# KiCad board skean.kicad_pcb
title: Skean; date: 2023-03-15; rev: 0.3
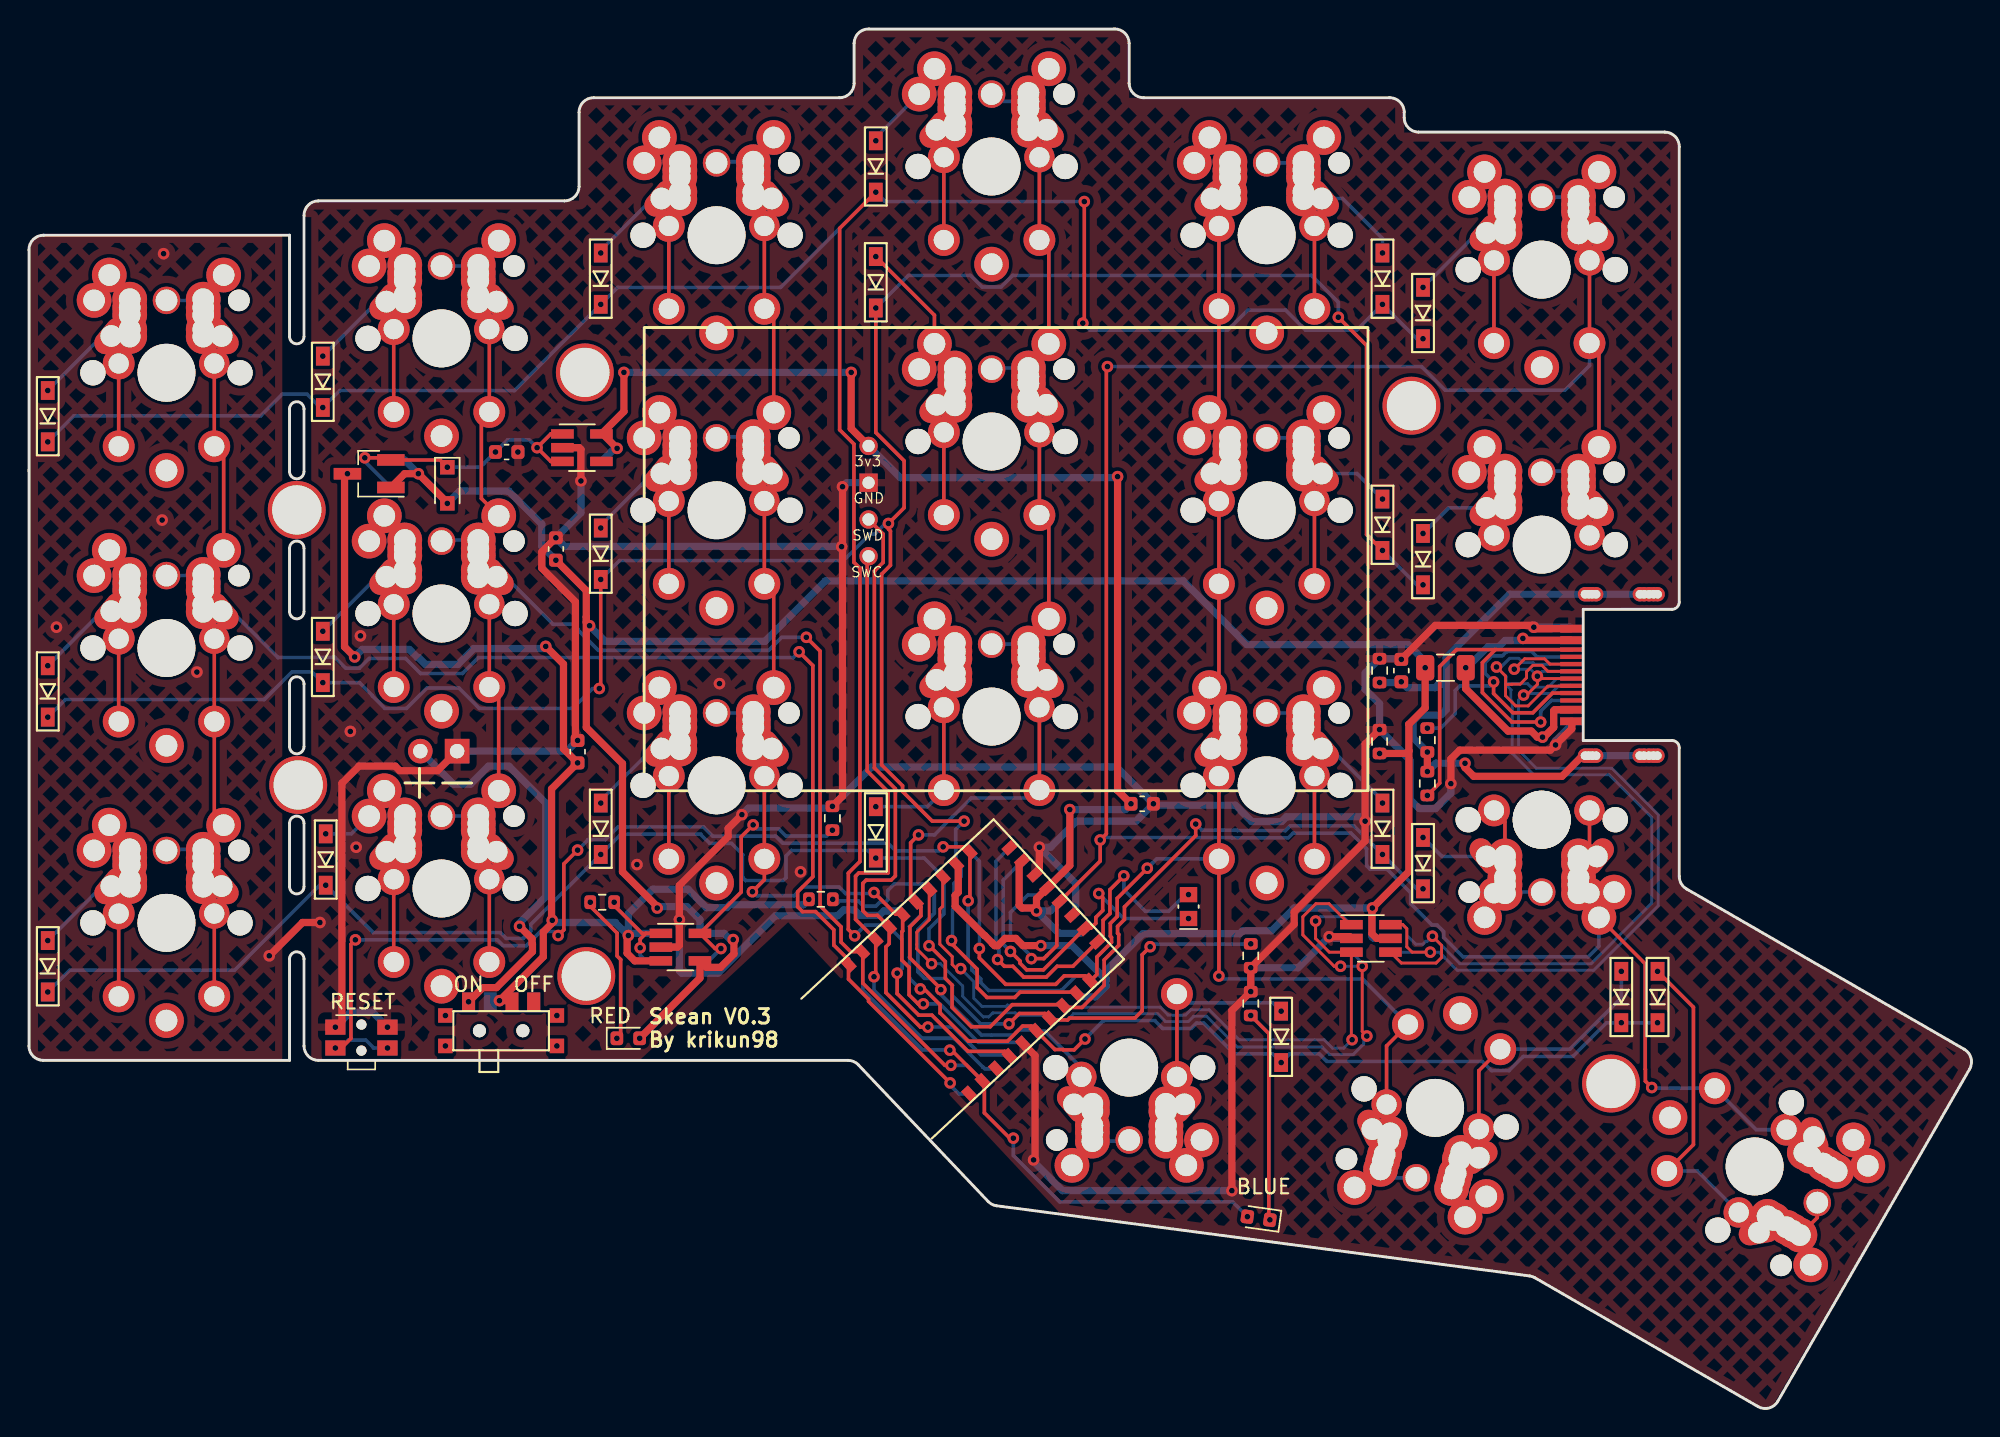
[diagram p0: board, top side]
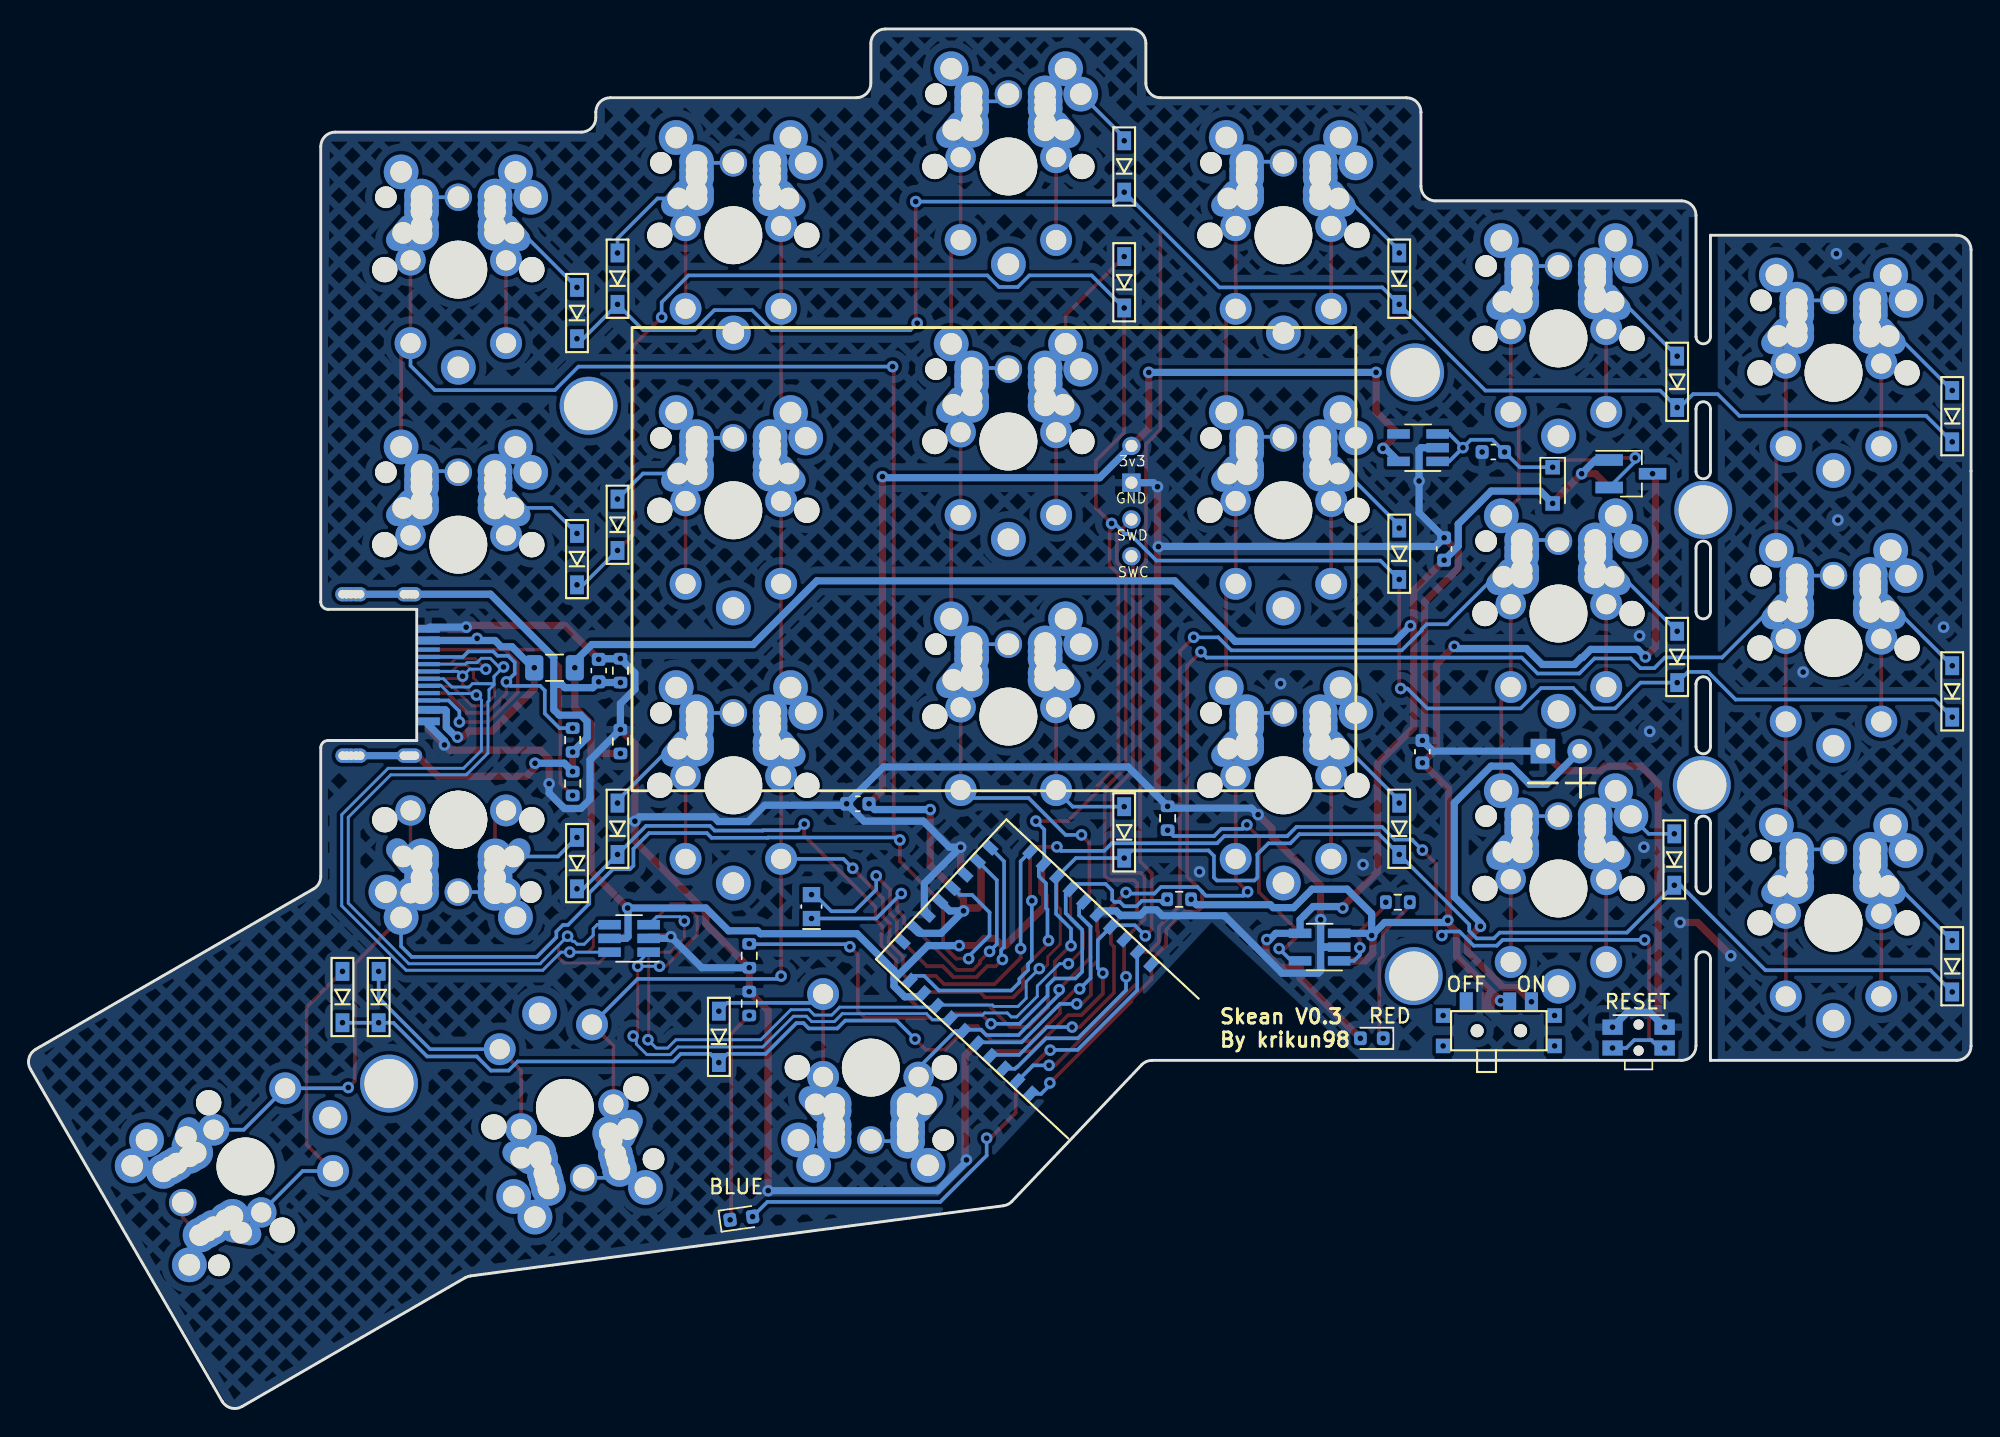
[diagram p1: board, bottom side, seen from below]

Outline 134.16 x 95.27 mm; copper layers: Top, Bottom. Coordinates in mm from the lower left corner of the outline.
Outline path: 0,80.02 arc(0.29,80.72) 1,81.02 18,81.02 18,74.02 arc(18.5,73.52) 19,74.02 19,82.39 arc(19.29,83.1) 20,83.39 37,83.39 arc(37.71,83.69) 38,84.39 38,89.52 arc(38.29,90.22) 39,90.52 56,90.52 arc(56.71,90.81) 57,91.52 57,94.27 arc(57.29,94.97) 58,95.27 75,95.27 arc(75.71,94.97) 76,94.27 76,91.52 arc(76.29,90.81) 77,90.52 94,90.52 arc(94.71,90.22) 95,89.52 95,89.14 arc(95.29,88.44) 96,88.14 113,88.14 arc(113.71,87.85) 114,87.14 114,55.68 arc(113.85,55.32) 113.5,55.18 107.37,55.17 107.37,46.11 113.5,46.11 arc(113.85,45.97) 114,45.61 114,36.73 arc(114.13,36.23) 114.5,35.86 133.69,24.78 arc(134.16,24.17) 134.06,23.42 120.81,0.47 arc(120.2,0) 119.44,0.1 104.02,9 arc(103.85,9.08) 103.66,9.13 66.85,13.97 arc(66.53,14.07) 66.26,14.27 57.29,23.71 arc(56.97,23.94) 56.58,24.02 20,24.02 arc(19.29,24.31) 19,25.02 19,31.02 arc(18.5,31.52) 18,31.02 18,24.02 0.99,24.02 arc(0.29,24.31) 0,25.01 0,64.74 0,80.02 ; 18,69.02 18,64.69 arc(18.5,64.19) 19,64.69 19,69.02 arc(18.5,69.52) 18,69.02 ; 18,59.39 arc(18.5,59.89) 19,59.39 19,55.02 arc(18.5,54.52) 18,55.02 18,59.39 ; 18,50.02 arc(18.5,50.52) 19,50.02 19,45.69 arc(18.5,45.19) 18,45.69 18,50.02 ; 18,40.39 18,36.02 arc(18.5,35.52) 19,36.02 19,40.39 arc(18.5,40.89) 18,40.39
Stack: Top 0.035mm / dielectric 0.72mm FR4 er 4.5 / Bottom 0.035mm

## Placement (name value [footprint] x y rotation side)
C1  10pF  [C_0603_1608Metric_REV]  33 66.04 0 top
C2  10pF  [C_0603_1608Metric_REV]  76.9 41.74 0 top
C3  1nF  [C_0603_1608Metric_REV]  94.8 50.94 270 top
C4  4.7uF  [C_0603_1608Metric_REV]  37.9 45.34 90 top
C5  4.7uF  [C_0603_1608Metric_REV]  36.4 59.34 90 top
D1  D_Small  [D3_SMD]  1.3 68.52 90 top
D2  D_Small  [D3_SMD]  20.3 70.89 90 top
D3  D_Small  [D3_SMD]  39.5 78.02 90 top
D4  D_Small  [D3_SMD]  58.5 85.77 90 top
D5  D_Small  [D3_SMD]  93.5 78.02 90 top
D6  D_Small  [D3_SMD]  96.3 75.64 90 top
D7  D_Small  [D3_SMD]  1.3 49.5 90 top
D8  D_Small  [D3_SMD]  20.3 51.89 90 top
D9  D_Small  [D3_SMD]  39.5 59.02 90 top
D10  D_Small  [D3_SMD]  58.5 77.77 90 top
D11  D_Small  [D3_SMD]  93.5 61.02 90 top
D12  D_Small  [D3_SMD]  96.3 58.64 90 top
D13  D_Small  [D3_SMD]  1.3 30.52 90 top
D14  D_Small  [D3_SMD]  20.5 37.89 90 top
D15  D_Small  [D3_SMD]  39.5 40.02 90 top
D16  D_Small  [D3_SMD]  58.5 39.77 90 top
D17  D_Small  [D3_SMD]  93.5 40.02 90 top
D18  D_Small  [D3_SMD]  96.3 37.64 90 top
D20  D_Small  [D3_SMD]  86.5 25.64 90 top
D21  D_Small  [D3_SMD]  110 28.39 90 top
D22  D_Small  [D3_SMD]  112.5 28.39 90 top
D23  1N5819  [D_SOD-323_HandSoldering_REV]  28.9 63.74 270 top
D24  RED  [LED_0603_1608Metric_REV]  41.4 25.54 0 top
D25  BLUE  [LED_0603_1608Metric_REV]  84.94 13.11 172 top
F1  500mA  [Fuse_1206_3216Metric_REV]  97.85 51.14 180 top
H1  MountingHole  [M2-MountingHole-Standoff]  18.6 43.04 0 top
H2  MountingHole  [M2-MountingHole-Standoff]  18.5 62.04 0 top
H3  MountingHole  [M2-MountingHole-Standoff]  38.4 71.54 0 top
H4  MountingHole  [M2-MountingHole-Standoff]  38.5 29.84 0 top
H5  MountingHole  [M2-MountingHole-Standoff]  95.5 69.24 0 top
H6  MountingHole  [M2-MountingHole-Standoff]  109.29 22.42 0 top
J2  SWD  [connector_swd_REV]  57.9 57.71 180 top
J3  USB-C Conn  [USB-C_C168688_REV]  113.97 50.64 270 top
J4  Conn_01x02_Female  [Battery_TH]  29.57 45.38 270 top
K1  KEYSW  [MX-Alps-Omron-SKCC-Hitek-Futaba-MA-1U-REV#2]  9.5 71.52 0 top
K2  KEYSW  [MX-Alps-Omron-SKCC-Hitek-Futaba-MA-1U-REV#2]  28.5 73.89 0 top
K3  KEYSW  [MX-Alps-Omron-SKCC-Hitek-Futaba-MA-1U-REV#2]  47.5 81.02 0 top
K4  KEYSW  [MX-Alps-Omron-SKCC-Hitek-Futaba-MA-1U-REV#2]  66.5 85.77 0 top
K5  KEYSW  [MX-Alps-Omron-SKCC-Hitek-Futaba-MA-1U-REV#2]  85.5 81.02 0 top
K6  KEYSW  [MX-Alps-Omron-SKCC-Hitek-Futaba-MA-1U-REV#2]  104.5 78.64 0 top
K7  KEYSW  [MX-Alps-Omron-SKCC-Hitek-Futaba-MA-1U-REV#2]  9.5 52.5 0 top
K8  KEYSW  [MX-Alps-Omron-SKCC-Hitek-Futaba-MA-1U-REV#2]  28.5 54.89 0 top
K9  KEYSW  [MX-Alps-Omron-SKCC-Hitek-Futaba-MA-1U-REV#2]  47.5 62.02 0 top
K10  KEYSW  [MX-Alps-Omron-SKCC-Hitek-Futaba-MA-1U-REV#2]  66.5 66.77 0 top
K11  KEYSW  [MX-Alps-Omron-SKCC-Hitek-Futaba-MA-1U-REV#2]  85.5 62.02 0 top
K12  KEYSW  [MX-Alps-Omron-SKCC-Hitek-Futaba-MA-1U-REV]  104.5 59.64 0 top
K13  KEYSW  [MX-Alps-Omron-SKCC-Hitek-Futaba-MA-1U-REV#2]  9.5 33.52 0 top
K14  KEYSW  [MX-Alps-Omron-SKCC-Hitek-Futaba-MA-1U-REV#2]  28.5 35.89 0 top
K15  KEYSW  [MX-Alps-Omron-SKCC-Hitek-Futaba-MA-1U-REV#2]  47.5 43.02 0 top
K16  KEYSW  [MX-Alps-Omron-SKCC-Hitek-Futaba-MA-1U-REV#4]  66.5 47.77 0 top
K17  KEYSW  [MX-Alps-Omron-SKCC-Hitek-Futaba-MA-1U-REV#2]  85.5 43.02 0 top
K18  KEYSW  [MX-Alps-Omron-SKCC-Inv-Hitek-Futaba-MA-1U-REV]  104.5 40.64 180 top
K20  KEYSW  [MX-Alps-Omron-SKCC-Hitek-Futaba-MA-1U-REV#3]  76 23.52 180 top
K21  KEYSW  [MX-Alps-Omron-SKCC-Hitek-Futaba-MA-1U-REV#2]  97.14 20.73 165 top
K22  KEYSW  [MX-Alps-Omron-SKCC-Hitek-Futaba-MA-1.5U-REV]  119.2 16.69 240 top
Q2  AO3407  [SOT-23_Handsoldering_REV]  23.5 64.54 180 top
R2  806K  [R_0603_1608Metric_REV]  54.7 35.14 0 top
R3  2M  [R_0603_1608Metric_REV]  84.4 31.24 270 top
R4  5.1K  [R_0603_1608Metric_REV]  96.6 43.14 90 top
R5  5.1K  [R_0603_1608Metric_REV]  96.6 46.14 270 top
R6  100K  [R_0603_1608Metric_REV]  93.3 46.04 90 top
R7  1K  [R_0603_1608Metric_REV]  39.6 34.94 0 top
R8  RPROG  [R_0603_1608Metric_REV]  55.5 40.74 90 top
R9  1K  [R_0603_1608Metric_REV]  84.4 27.94 90 top
R10  1M  [R_0603_1608Metric_REV]  93.3 50.94 90 top
RSW1  SW_PUSH  [SW_SPST_EVQP7C_REV]  22.97 25.59 0 top
SW1  SW_SPDT  [SW_SPDT+H-MSK12C01_hor(7pin_SMD)_REV]  32.62 26.06 0 top
U1  E73-2G4M08S1E  [E73-2G4M08S1E-52833_REV]  71.05 35.75 223 top
U2  XC6220B331MR-G  [SOT-23-5_HandSoldering_REV]  38.2 66.34 0 top
U3  TP4054  [SOT-23-5_HandSoldering_REV]  45 31.84 0 top
U4  USBLC6-2SC6  [SOT-23-6_Handsoldering_REV]  92.7 32.44 0 top
X1  32.768kHz  [Crystal_SMD_MicroCrystal_CM9V-T1A-2Pin_1.6x1.0mm_HandSoldering_REV]  80.1 34.64 90 top

## Library data of the parts
C1 C2 = -: Description: Unpolarized capacitor, small symbol; LCSC: C1634
C3 = -: Description: Unpolarized capacitor, small symbol; LCSC: C1588
C4 C5 = -: Description: Unpolarized capacitor, small symbol; LCSC: C19666
D1-D18 D20-D22 = -: Description: Diode, small symbol
D23 = -: Description: Schottky diode, small symbol
D24 D25 = -: Description: Light emitting diode
F1 = -: Description: Resettable fuse, polymeric positive temperature coefficient, small symbol; LCSC: C883122
H1-H6 = -: Description: Mounting Hole without connection
J2 = -: Description: Generic connector, single row, 01x04, script generated (kicad-library-utils/schlib/autogen/connector/)
J3 = -: Description: USB 2.0-only Type-C Receptacle connector
J4 = -: Description: Generic connector, single row, 01x02, script generated (kicad-library-utils/schlib/autogen/connector/)
K1-K18 K20-K22 = -: Description: Single Pole Single Throw (SPST) switch
Q2 = -: Description: P-MOSFET transistor, gate/source/drain
R2 R3 R6-R9 = -: Description: Resistor, small symbol
R4 R5 = -: Description: Resistor
R10 = -: Description: Resistor, small symbol; LCSC: C22935
SW1 = -: Description: Switch, single pole double throw
U2 = -: Description: 600mA low dropout linear regulator, with enable pin, 3.8V-6V input voltage range, 3.3V fixed positive output, SOT-23-5
U3 = -: Description: Single cell, Li-Ion/Li-Po charge management controller, 4.35V, Tri-State Status Output, in SOT23-5 package
U4 = -: Description: Very low capacitance ESD protection diode, 2 data-line, SOT-23-6; LCSC: C558442
X1 = -: Description: Two pin crystal, small symbol

## Footprints (pads in the part's own frame, mm; a bottom-side part is the same pattern mirrored in y, then rotated)
Battery_TH
  rect 1.7x1.7 hole 1: 1(0,0)
  oval 1.7x1.7 hole 1: 2(0,-2.54)
C_0603_1608Metric_REV
  rrect 0.9x0.95 smd: 1(-0.775,0) 2(0.775,0)
  rrect 0.9x0.95 smd far side: 1(-0.775,0) 2(0.775,0)
connector_swd_REV
  oval 1.27x1.27 hole 0.85: 1(-0.1,-8.75) 3(-0.1,-3.67) 4(-0.1,-1.13)
  rect 1.27x1.27 hole 0.85: 2(-0.1,-6.21)
Crystal_SMD_MicroCrystal_CM9V-T1A-2Pin_1.6x1.0mm_HandSoldering_REV
  rect 1.05x1.2 smd: 1(-0.825,0) 2(0.825,0)
  rect 1.05x1.2 smd far side: 1(-0.825,0) 2(0.825,0)
D3_SMD
  rect 1.3x0.95 smd: 1(-1.775,0) 2(1.775,0)
  rect 1.3x0.95 smd far side: 1(-1.775,0) 2(1.775,0)
D_SOD-323_HandSoldering_REV
  rect 1x1 smd: 1(-1.25,0) 2(1.25,0)
  rect 1x1 smd far side: 1(-1.25,0) 2(1.25,0)
E73-2G4M08S1E-52833_REV
  rect 0.65x1 smd: 1(14.03,6.119) 2(12.76,6.119) 3(11.49,6.119) 4(10.22,6.119) 5(8.95,6.119) 6(7.68,6.119) 7(6.41,6.119) 8(5.14,6.119) 9(3.87,6.119) 10(2.6,6.119) 26(2.6,-6.119) 27(3.87,-6.119) 29(5.14,-6.119) 31(6.41,-6.119) 33(7.68,-6.119) 35(8.95,-6.119) 37(10.22,-6.119) 39(11.49,-6.119) 41(12.76,-6.119) 43(14.03,-6.119)
  rect 0.65x1 smd far side: 1(14.03,-6.12) 2(12.76,-6.12) 3(11.49,-6.12) 4(10.22,-6.12) 5(8.95,-6.12) 6(7.68,-6.12) 7(6.41,-6.12) 8(5.14,-6.12) 9(3.87,-6.12) 10(2.6,-6.12) 26(2.6,6.12) 27(3.87,6.12) 29(5.14,6.12) 31(6.41,6.12) 33(7.68,6.12) 35(8.95,6.12) 37(10.22,6.12) 39(11.49,6.12) 41(12.76,6.12) 43(14.03,6.12)
  rect 1x0.65 smd far side: 11(0.38,-4.42) 13(0.38,-3.15) 15(0.38,-1.88) 17(0.38,-0.61) 19(0.38,0.66) 21(0.38,1.93) 23(0.38,3.2) 25(0.38,4.47)
  rect 1x0.65 smd: 11(0.381,4.47) 13(0.381,3.2) 15(0.381,1.93) 17(0.381,0.66) 19(0.381,-0.61) 21(0.381,-1.88) 23(0.381,-3.15) 25(0.381,-4.42)
Fuse_1206_3216Metric_REV
  rrect 1.25x1.75 smd far side: 1(-1.4,0.005) 2(1.4,0.005)
  rrect 1.25x1.75 smd: 1(-1.4,0) 2(1.4,0)
LED_0603_1608Metric_REV
  rrect 0.875x0.95 smd far side: 1(-0.793,0) 2(0.782,0)
  rrect 0.875x0.95 smd: 1(-0.787,0) 2(0.787,0)
M2-MountingHole-Standoff
  round 4 hole 3.4: (0,0)
MX-Alps-Omron-SKCC-Hitek-Futaba-MA-1.5U-REV
  round 1.75 hole 1.75 unplated: (-5.08,0) (5.08,0)
  round 4 hole 4 unplated: (0,0)
  round 2.4 hole 1.5: (0,-6.75) 1(-5,5) 1(-3.95,6.75) 1(-2.54,4) 1(-2.54,2.5) 1(-2.54,5.08) 1(-2.54,4.5) 1(-2.54,3) 2(2.54,5.08) 2(2.54,4) 2(2.54,2.5) 2(2.54,4.5) 2(2.54,3) 2(3.95,6.75)
  round 1.5 hole 1.5 unplated: (5,5)
  oval 2.8x1.55 hole 1.5 rot 50: 1(-3.81,2.54)
  round 2.2 hole 1.4: 1(-3.3,0.64) 1(-3.3,-5.08) 2(3.3,-5.08)
  round 1.9 hole 1.5: 2(0,5)
  round 2.1 hole 1.4: 2(3.3,0.64)
  oval 2.8x1.55 hole 1.5 rot 130: 2(3.81,2.54)
MX-Alps-Omron-SKCC-Hitek-Futaba-MA-1U-REV
  round 1.75 hole 1.75 unplated: (-5.08,0) (5.08,0)
  round 4 hole 4 unplated: (0,0)
  round 1.5 hole 1.5 unplated: (5,5)
  round 2.4 hole 1.5: 1(-5,5) 1(-3.95,6.75) 1(-2.54,5.08) 1(-2.54,4.5) 1(-2.54,4) 1(-2.54,3) 1(-2.54,2.5) 2(2.54,5.08) 2(2.54,4.5) 2(2.54,4) 2(2.54,3) 2(2.54,2.5) 2(3.95,6.75)
  oval 2.8x1.55 hole 1.5 rot 50: 1(-3.81,2.54)
  round 2.2 hole 1.4: 1(-3.3,0.64)
  round 1.9 hole 1.5: 2(0,5)
  round 2.1 hole 1.4: 2(3.3,0.64)
  oval 2.8x1.55 hole 1.5 rot 130: 2(3.81,2.54)
MX-Alps-Omron-SKCC-Hitek-Futaba-MA-1U-REV#2
  round 1.75 hole 1.75 unplated: (-5.08,0) (5.08,0)
  round 4 hole 4 unplated: (0,0)
  round 2.4 hole 1.5: (0,-6.75) 1(-5,5) 1(-3.95,6.75) 1(-2.54,5.08) 1(-2.54,4.5) 1(-2.54,4) 1(-2.54,3) 1(-2.54,2.5) 2(2.54,5.08) 2(2.54,4.5) 2(2.54,4) 2(2.54,3) 2(2.54,2.5) 2(3.95,6.75)
  round 1.5 hole 1.5 unplated: (5,5)
  oval 2.8x1.55 hole 1.5 rot 50: 1(-3.81,2.54)
  round 2.2 hole 1.4: 1(-3.3,0.64) 1(-3.3,-5.08) 2(3.3,-5.08)
  round 1.9 hole 1.5: 2(0,5)
  round 2.1 hole 1.4: 2(3.3,0.64)
  oval 2.8x1.55 hole 1.5 rot 130: 2(3.81,2.54)
MX-Alps-Omron-SKCC-Hitek-Futaba-MA-1U-REV#3
  round 1.75 hole 1.75 unplated: (-5.08,0) (5.08,0)
  round 4 hole 4 unplated: (0,0)
  round 1.5 hole 1.5 unplated: (5,5)
  round 2.4 hole 1.5: 1(-5,5) 1(-3.95,6.75) 1(-2.54,5.08) 1(-2.54,4.5) 1(-2.54,4) 1(-2.54,3) 1(-2.54,2.5) 2(2.54,5.08) 2(2.54,4.5) 2(2.54,4) 2(2.54,3) 2(2.54,2.5) 2(3.95,6.75)
  oval 2.8x1.55 hole 1.5 rot 50: 1(-3.81,2.54)
  round 2.2 hole 1.4: 1(-3.3,0.64) 1(-3.3,-5.08)
  round 1.9 hole 1.5: 2(0,5)
  round 2.1 hole 1.4: 2(3.3,0.64)
  oval 2.8x1.55 hole 1.5 rot 130: 2(3.81,2.54)
MX-Alps-Omron-SKCC-Hitek-Futaba-MA-1U-REV#4
  round 1.75 hole 1.75 unplated: (-5.08,0) (5.08,0)
  round 4 hole 4 unplated: (0,0)
  round 1.5 hole 1.5 unplated: (5,5)
  round 2.4 hole 1.5: 1(-5,5) 1(-3.95,6.75) 1(-2.54,5.08) 1(-2.54,4.5) 1(-2.54,4) 1(-2.54,3) 1(-2.54,2.5) 2(2.54,5.08) 2(2.54,4.5) 2(2.54,4) 2(2.54,3) 2(2.54,2.5) 2(3.95,6.75)
  oval 2.8x1.55 hole 1.5 rot 50: 1(-3.81,2.54)
  round 2.2 hole 1.4: 1(-3.3,0.64) 1(-3.3,-5.08) 2(3.3,-5.08)
  round 1.9 hole 1.5: 2(0,5)
  round 2.1 hole 1.4: 2(3.3,0.64)
  oval 2.8x1.55 hole 1.5 rot 130: 2(3.81,2.54)
MX-Alps-Omron-SKCC-Inv-Hitek-Futaba-MA-1U-REV
  round 1.75 hole 1.75 unplated: (-5.08,0) (5.08,0)
  round 4 hole 4 unplated: (0,0) (0,0)
  round 1.5 hole 1.5 unplated: (5,5)
  round 2.4 hole 1.5: 1(-5,5) 1(-3.95,6.75) 1(-2.54,5.08) 1(-2.54,4.5) 1(-2.54,4) 1(-2.54,3) 1(-2.54,2.5) 2(2.54,5.08) 2(2.54,4.5) 2(2.54,4) 2(2.54,3) 2(2.54,2.5) 2(3.95,6.75)
  oval 2.8x1.55 hole 1.5 rot 50: 1(-3.81,2.54)
  round 2.2 hole 1.4: 1(-3.3,5.08) 2(3.3,5.08) 2(3.3,-0.64)
  round 2.1 hole 1.4: 1(-3.3,-0.64)
  round 1.9 hole 1.5: 2(0,5)
  oval 2.8x1.55 hole 1.5 rot 130: 2(3.81,2.54)
R_0603_1608Metric_REV
  rrect 0.8x0.95 smd: 1(-0.825,0) 2(0.825,0)
  rrect 0.8x0.95 smd far side: 1(-0.825,0) 2(0.825,0)
SOT-23-5_HandSoldering_REV
  rect 1.56x0.65 smd: 1(-1.35,0.95) 2(-1.35,0) 3(-1.35,-0.95) 4(1.35,-0.95) 5(1.35,0.95)
  rect 1.56x0.65 smd far side: 1(-1.35,-0.95) 2(-1.35,0) 3(-1.35,0.95) 4(1.35,0.95) 5(1.35,-0.95)
SOT-23-6_Handsoldering_REV
  rect 1.56x0.65 smd: 1(-1.35,0.95) 2(-1.35,0) 3(-1.35,-0.95) 4(1.35,-0.95) 5(1.35,0) 6(1.35,0.95)
  rect 1.56x0.65 smd far side: 1(-1.35,-0.95) 2(-1.35,0) 3(-1.35,0.95) 4(1.35,0.95) 5(1.35,0) 6(1.35,-0.95)
SOT-23_Handsoldering_REV
  rect 1.9x0.8 smd: 1(-1.5,0.95) 2(-1.5,-0.95) 3(1.5,0)
  rect 1.9x0.8 smd far side: 1(-1.5,-0.95) 2(-1.5,0.95) 3(1.5,0)
SW_SPDT+H-MSK12C01_hor(7pin_SMD)_REV
  round 0.9 hole 0.9 unplated: (-1.5,0) (1.5,0)
  rect 0.9x1.3 smd: 1(-2.25,2) 2(0.75,2) 3(2.25,2)
  rect 0.9x1.3 smd far side: 1(-2.25,2) 2(-0.75,2) 3(2.25,2)
  rect 1x1 smd: H(-3.85,1.05) H(-3.85,-1.05) H(3.85,1.05) H(3.85,-1.05)
  rect 1x1 smd far side: H(-3.85,1.05) H(-3.85,-1.05) H(3.85,1.05) H(3.85,-1.05)
SW_SPST_EVQP7C_REV
  round 0.7 hole 0.7 unplated: (0,0.9) (0,-0.9)
  rect 1.4x1.05 smd: 1(-1.8,-0.72) 1(1.8,-0.72) 2(-1.8,0.72) 2(1.8,0.72)
  rect 1.4x1.05 smd far side: 1(-1.8,-0.72) 1(1.8,-0.72) 2(-1.8,0.72) 2(1.8,0.72)
USB-C_C168688_REV
  rect 0.54x1.6 smd: A1(-3.2,-7.4) A1(3.2,-7.4) A4(-2.4,-7.4) A4(2.4,-7.4)
  rect 0.54x1.6 smd far side: A1(-3.19,-7.4) A1(3.21,-7.4) A4(2.41,-7.4)
  rect 0.56x1.6 smd far side: A4(-2.38,-7.4)
  rect 0.29x1.6 smd far side: A5(-1.245,-7.4) A6(-0.245,-7.4) A8(1.255,-7.4) B6(0.755,-7.4) B7(-0.745,-7.4)
  rect 0.3x1.6 smd: A5(1.25,-7.4) A6(0.25,-7.4) A7(-0.25,-7.4) A8(-1.25,-7.4) B5(-1.75,-7.4) B6(-0.75,-7.4) B7(0.75,-7.4) B8(1.758,-7.4)
  rect 0.3x1.6 smd far side: A7(0.26,-7.4) B5(1.76,-7.4)
  rect 0.298x1.6 smd far side: B8(-1.749,-7.4)
  round 1 hole 0.6: S1(-5.576,-1.473) S1(-5.575,-1.753) S1(-5.575,-2.057) S1(-5.575,-2.4) S1(-5.575,-2.692) S1(-5.575,-6.236) S1(-5.575,-5.719) S1(-5.575,-5.982) S1(-5.575,-6.481) S1(5.575,-1.486) S1(5.575,-1.765) S1(5.575,-2.07) S1(5.575,-2.413) S1(5.575,-2.705) S1(5.575,-6.236) S1(5.576,-5.719) S1(5.576,-5.982) S1(5.576,-6.481)
